# Altium PCB Velotour_2022_V1.0.PcbDoc (part 2 of 3) (continued)
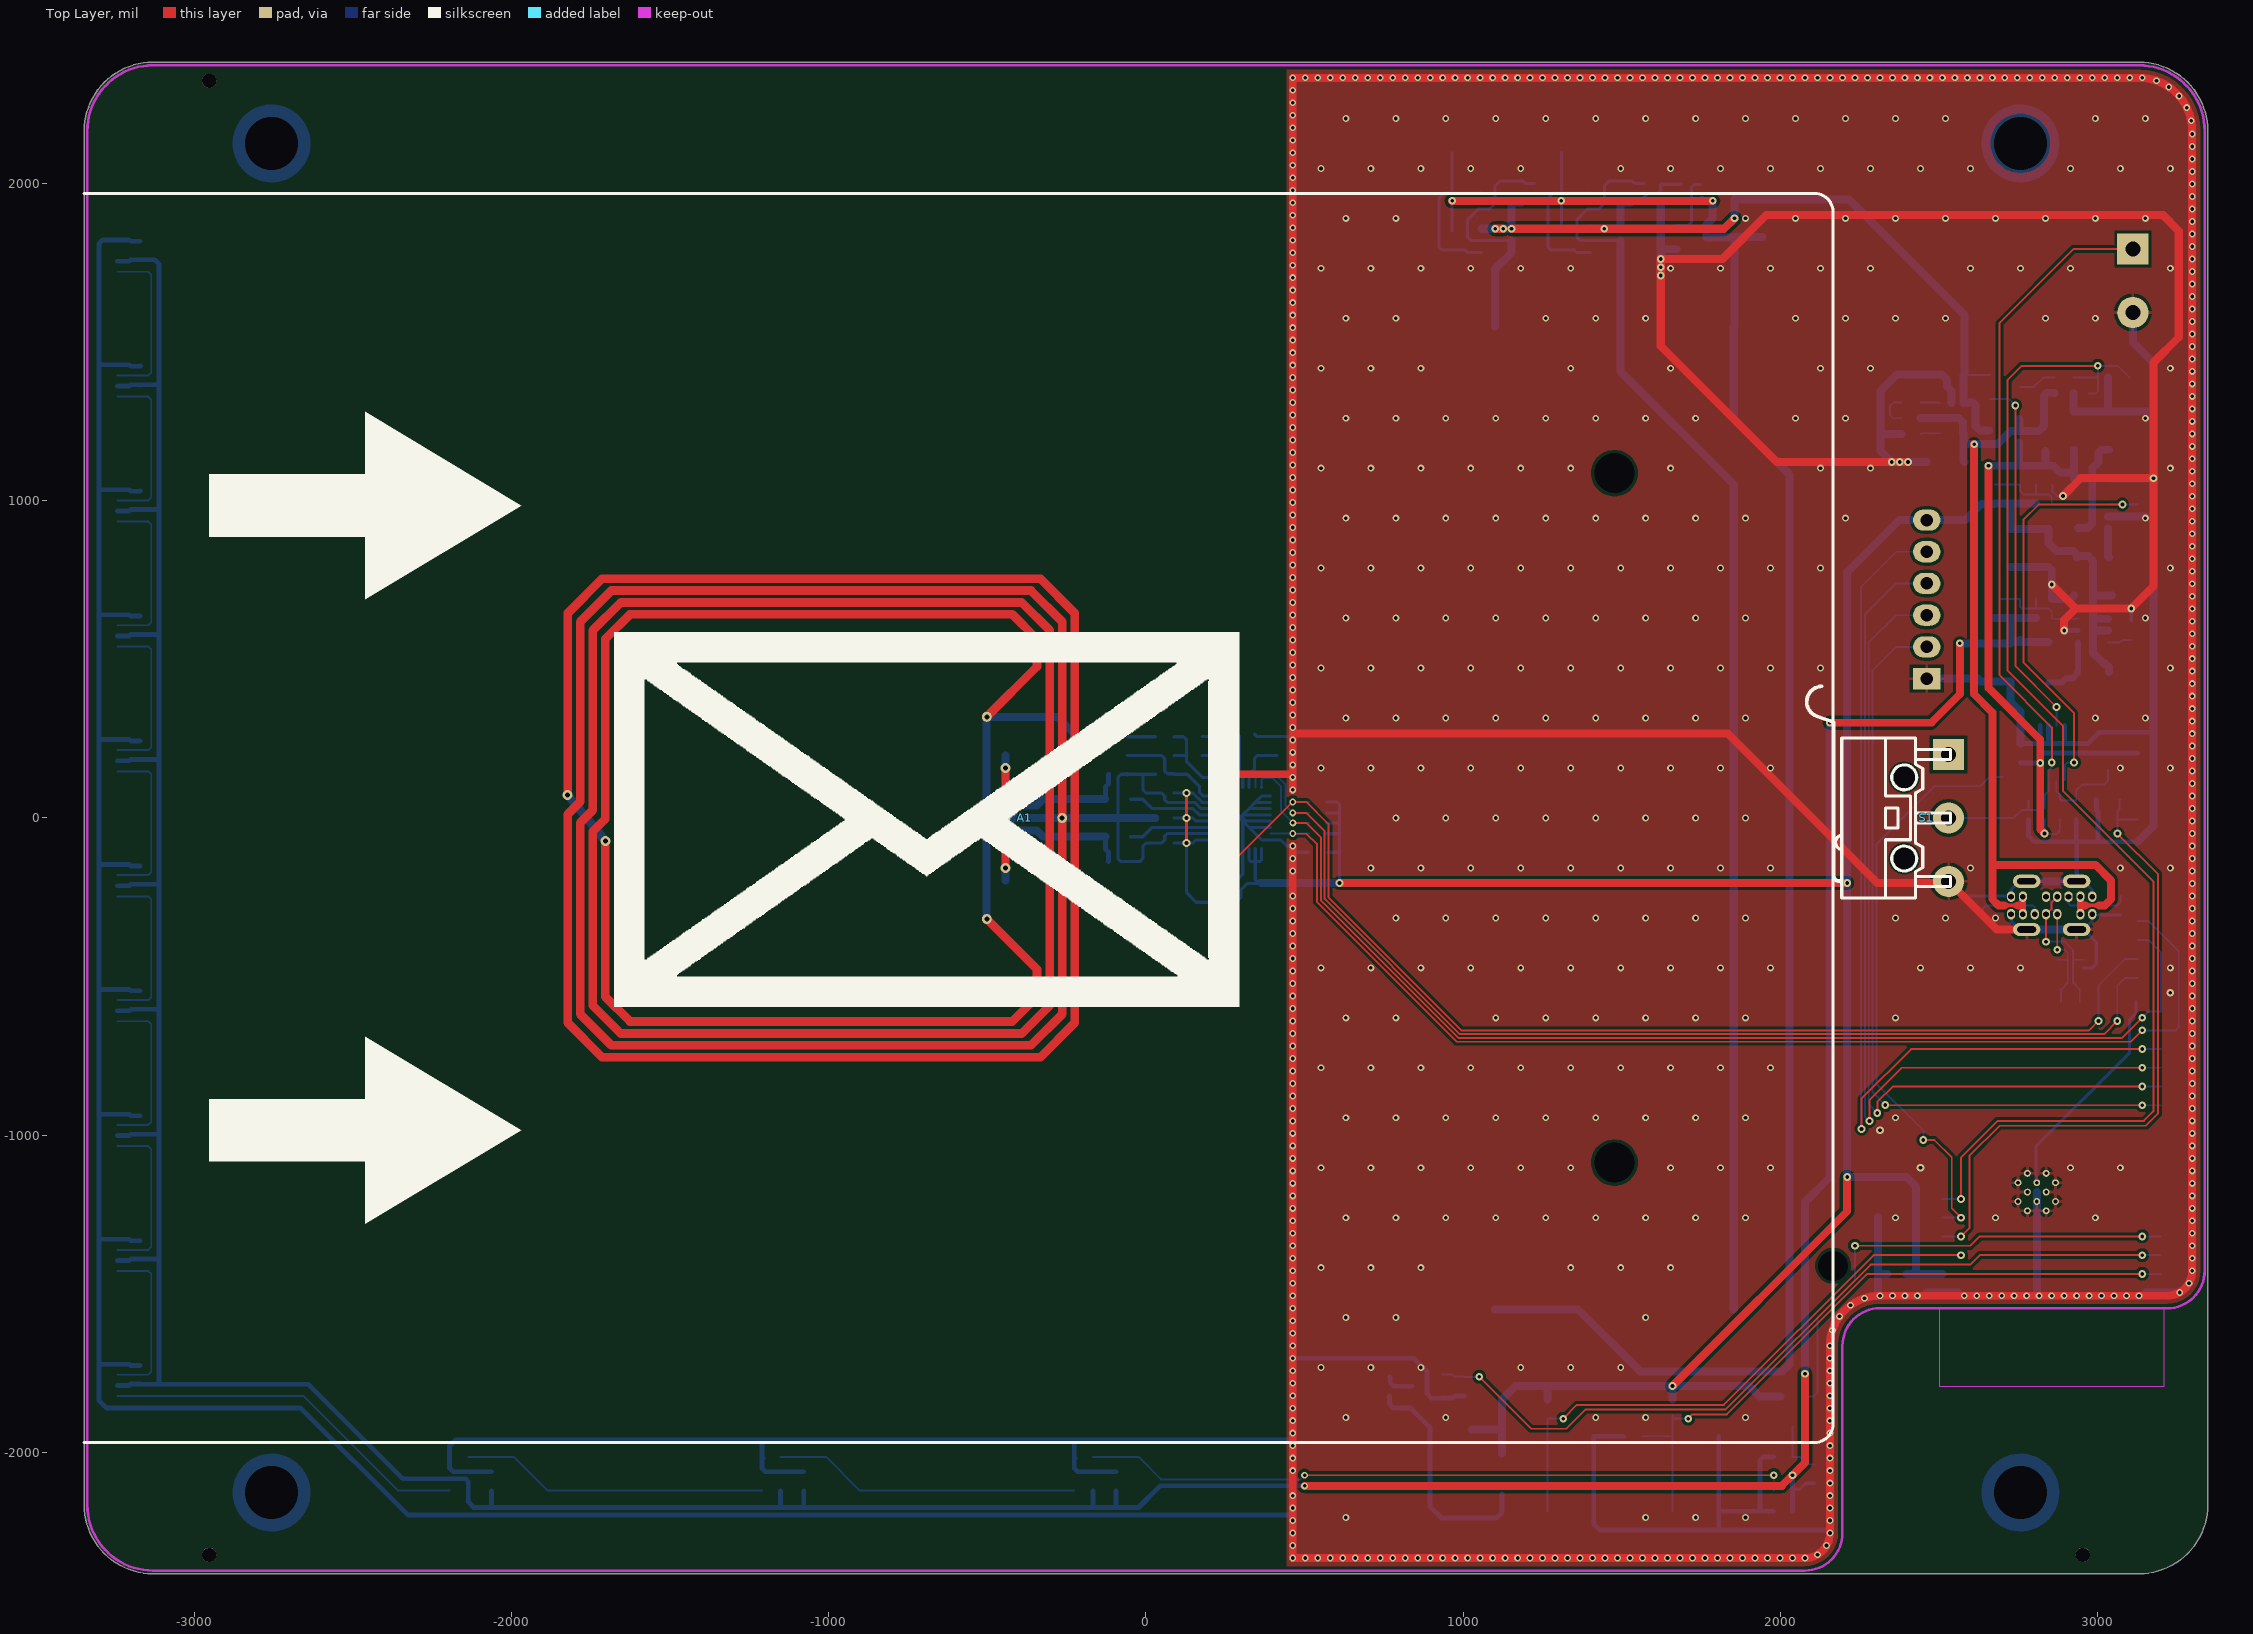
[diagram p0: Top Layer view]
## Nets (pads, with @x,y where several pads share a name; then routed paths per layer and width w, separated by ;. In a path a pad name is that pad's centre, name@x,y a point inside that pad or via, vN(x,y) a via of type N, cw(c..) or ccw(c..) an arc to the next point about the centre after c; other vN are vias at no path point) (continued)
  other v2: 2440.94,-1102.36 2312.99,-984.25 3228.35,-551.18
  other v3: -1703.89,-72.83 -1822.83,72.83
NetA1_1: A1.1 C24.2 C26.1 C27.1 | length 278.7
  Bottom Layer w25: A1.1@-502.44,-318.04 -502.44,-201.85 C27.1@-502.44,-196.85 C26.1@-502.44,-118.11 -502.44,-44.37 C24.2@-502.44,-39.37
NetA1_2: A1.2 C29.2 C30.2 C31.2 C32.1 | length 687.9
  Bottom Layer w25: C31.2@-502.44,39.37 -502.44,83.58 -502.44,88.58 A1.2@-502.44,318.04 ; A1.2@-501.77,318.71 -279.34,318.71 -216.53,255.9 C32.1@-118.58,255.9
NetC1_2: C1.2 R3.1 R5.2 TP4.1 U1.5 | length 342.4
  Bottom Layer w6: TP4.1@2674.98,1050.47 R3.1@2754.72,1050.47 2754.72,1030.28 2765,1020 2805,1020 ; C1.2@2804.73,1050.47 2804.73,1020.27 2805,1020 ; U1.5@2937.48,987.87 2857.32,987.87 R5.2@2854.72,990.47 2854.72,1010.28 2845,1020 2805,1020
NetC2_2: C2.2 R4.1 R7.2 TP5.1 U2.3 | length 326.4
  Bottom Layer w6: 2694.73,690.47 R4.1@2754.72,690.47 2754.72,665.28 2760,660 2802.5,660 ; C2.2@2804.73,690.47 2804.73,662.23 2802.5,660 ; U2.3@2937.48,627.87 2857.32,627.87 R7.2@2854.72,630.47 2854.72,650.28 2845,660 2802.5,660
NetC12_1: C12.1 C16.1 D4.A D5.A R14.1 R15.1 TP14.1 U5.3 X2.2 X2.4 | length 5999.9
  Top Layer w25.59: v2(964.88,1944.88) v2(1309.06,1944.88) v2(1785.98,1944.88)
  Bottom Layer w9.84: R14.1@964.88,1849.68 D4.A@964.88,1905.91 v2(964.88,1944.88) ; R15.1@1309.05,1849.68 D5.A@1309.06,1905.91 v2(1309.06,1944.88) ; C16.1@1749.05,1944.88 1752.01,1947.84 C16.1@1754.96,1950.79 ; U5.3@1765.98,1829.69 U5.3@1766.06,1829.76 ; C12.1@1854.88,1829.76 C12.1@1855.83,1830.71
  Bottom Layer w25.59: X2.2@1100.39,-1549.21 1362.2,-1549.21 1557.99,-1745 2005,-1745 2027.56,-1722.44 2027.56,1082.68 1852.36,1257.87 X2.4@1852.36,1549.21 1854.88,1551.73 C12.1@1854.88,1829.76 U5.3@1766.06,1829.76 ; C16.1@1752.01,1947.84 1754.96,1944.88 v2(1785.98,1944.88) 1785.98,1889.76 1765.98,1869.76 U5.3@1765.98,1829.69 ; C12.1@1855.83,1830.71 TP14.1@1943.46,1830.71
NetC13_2: C13.2 D2.K R1.1 S1.3 U3.7 X1.1 | length 2465.4
  Top Layer w6: v2(2855,175) 2855,285 2690,450 2690,1560 2922.91,1792.91 X1.1@3110.24,1792.91
  Bottom Layer w6: S1.3@2529.53,0 2735,0 2760,25 2780,25 ; C13.2@2781.73,55.35 2781.73,26.73 2780,25 ; U3.7@2844.02,118.74 2844.02,149.02 2855,160 v2(2855,175) ; U3.7@2844.71,114.52 2844.71,84.87 2833.34,73.5 2833.34,56.96 R1.1@2831.73,55.35 2831.73,31.73 2825,25 2780,25
NetC14_2: C14.2 K7.D R2.1 U3.6 | length 294.1
  Bottom Layer w6: U3.6@2868.91,114.52 2868.91,84.87 2880.44,73.34 2880.44,56.65 R2.1@2881.73,55.35 C14.2@2931.73,55.35 2931.73,86.73 2950,105 3020,105 3031.73,116.73 K7.D@3031.73,152.6
NetC16_2: C16.2 R8.1 U5.2 | length 225.6
  Bottom Layer w9.84: U5.2@1671.5,1867.09 1708.19,1867.09 1719.06,1877.95 1719.06,1944.88 ; C16.2@1689.05,1944.88 1719.06,1944.88 ; R8.1@1749.05,1996.06 1726.93,1996.06 1719.06,1988.19 1719.06,1944.88
NetC24_1: C24.1 C25.1 L3.2 | length 404.4
  Bottom Layer w15: L3.2@-127.95,-59.69 -127.95,-98.43 -118.11,-108.27 C25.1@-118.11,-137.32
  Bottom Layer w25: C24.1@-442.44,-39.37 -344.49,-39.37 -324.8,-59.06 L3.2@-128.58,-59.06 L3.2@-127.95,-59.06
NetC28_2: C28.2 C31.1 L4.2 | length 405.8
  Bottom Layer w15: L4.2@-128.58,59.05 -127.95,59.68 -127.95,98.43 -118.11,108.27 -118.11,137.32 C28.2@-118.58,137.8
  Bottom Layer w25: C31.1@-442.44,39.37 -344.02,39.37 ; -344.49,39.37 -324.8,59.05 L4.2@-128.58,59.05
NetC32_2: C32.2 R20.2 | length 87.6
  Bottom Layer w9.84: C32.2@-58.58,255.9 R20.2@29.05,255.91
NetC34_2: C34.2 R23.2 TP19.1 U7.16 | length 344.5
  Bottom Layer w9.84: TP19.1@-59.06,196.85 R23.2@29.05,196.85 49.21,196.85 59.06,187.01 59.06,147.64 67.56,139.14 87.72,139.14 C34.2@89.06,137.79 129.59,137.79 168.96,98.43 168.96,80.38 180.44,68.9 U7.16@198.82,68.9
NetC35_1: C35.1 Q1.1 U7.22 | length 173.8
  Bottom Layer w9.84: U7.22@324.8,96.46 324.8,106.3 324.8,137.8 342.52,155.51 Q1.1@342.52,188.98 349.92,196.38 C35.1@413.39,196.38
NetC36_1: C36.1 Q1.2 U7.21 | length 288
  Bottom Layer w9.84: C36.1@177.16,256.38 240.63,256.38 Q1.2@248.03,263.78 287.4,263.78 295.28,255.91 295.28,147.64 305.12,137.8 U7.21@305.12,96.46
NetD1_A: D1.A L1.2 U2.1 | length 201.1
  Bottom Layer w20: D1.A@2844.72,426.69 2886.69,426.69 2900,440 2919.92,440 2934.53,454.61 L1.2@2934.53,460.47 2937.48,463.43 U2.1@2937.48,553.07
NetD4_K: D4.K K2.D K3.G R14.2 TP9.1 | length 562.7
  Bottom Layer w9.84: TP9.1@964.57,2096.46 964.57,2033.78 D4.K@964.88,2033.46 964.88,1969.68 ; K3.G@1057.32,1782.28 1012.99,1782.28 1005.59,1789.68 932.76,1789.68 923.23,1799.21 923.23,1952.76 940.16,1969.68 964.88,1969.68 ; K2.D@1057.32,1969.68 964.88,1969.68
NetD5_K: D5.K K4.D K5.G R15.2 TP10.1 | length 562.5
  Bottom Layer w9.84: TP10.1@1309.06,2096.46 D5.K@1309.06,2033.46 1309.06,1969.68 ; K5.G@1401.5,1782.28 1357.48,1782.28 1350.08,1789.68 1276.93,1789.68 1267.4,1799.21 1267.4,1952.76 1284.33,1969.68 1309.06,1969.68 ; K4.D@1401.5,1969.68 1309.06,1969.68
NetD7_A: D7.A Q2.2 R26.1 | length 740.9
  Bottom Layer w15: R26.1@767.72,-1821.34 767.72,-1847.72 780,-1860 835,-1860 895,-1920 895,-2170 931.69,-2206.69 Q2.2@1025.59,-2206.69 1103.31,-2206.69 1122.05,-2187.95 D7.A@1122.05,-2130.71
NetK1_D: K1.D R11.2 | length 122
  Bottom Layer w6: K1.D@2753.94,1358.27 2798.27,1358.27 2827.8,1387.8 R11.2@2863.7,1387.8
NetK1_G: K1.G U3.3 | length 1150.9
  Top Layer w6: v2(2740,1300) 2740,479.21 v2(2869.61,349.61)
  Bottom Layer w6: K1.G@2659.45,1320.87 2719.13,1320.87 v2(2740,1300) ; U3.3@2869.61,291.97 v2(2869.61,349.61)
NetK2_G: K2.G K3.D R9.1 X2.1 | length 785.9
  Bottom Layer w9.84: K3.D@1151.81,1819.69 1024.8,1819.69 1013.78,1830.71 1013.78,1885.83 1047.24,1919.29 1082.68,1919.29 1100.39,1937.01 1100.39,1992.13 1115.35,2007.09 K2.G@1151.81,2007.09 1187.8,2007.09 1195.2,1999.68 R9.1@1224.57,1999.68
  Bottom Layer w25.59: X2.1@1100.39,1549.21 1100.39,1730.31 1151.57,1781.5 1151.57,1818.7 1151.81,1818.94 K3.D@1151.81,1819.69
NetK4_G: K4.G K5.D R10.1 X2.3 | length 4010.6
  Bottom Layer w9.84: K5.D@1495.98,1819.69 1368.98,1819.69 1357.95,1830.71 1357.95,1885.83 1391.42,1919.29 1426.85,1919.29 1444.57,1937.01 1444.57,1992.13 1459.53,2007.09 K4.G@1495.98,2007.09 1531.97,2007.09 1539.37,1999.68 R10.1@1568.74,1999.68
  Bottom Layer w25.59: K5.D@1495.98,1819.69 1495.98,1407.56 1852.36,1051.18 X2.3@1852.36,-1549.21
NetK8_D: K8.D P2.2 R27.1 | length 174.9
  Bottom Layer w6: K8.D@2037.4,-1917.32 P2.2@2037.4,-2013.78 2059.72,-2013.78 2082.87,-2036.93 R27.1@2106.3,-2036.93
NetK9_D: K9.D R26.2 | length 92.9
  Bottom Layer w15: R26.2@767.72,-1761.34 770,-1763.62 770,-1780 781.34,-1791.34 K9.D@838.58,-1791.34
NetL2_1: L2.1 U1.3 | length 93.8
  Bottom Layer w25: U1.3@3031.97,913.07 3031.97,823.43 L2.1@3034.92,820.47
NetL3_1: L3.1 U7.11 | length 259.6
  Bottom Layer w9.84: L3.1@-48.58,-59.06 -9.84,-59.06 19.69,-29.53 U7.11@198.82,-29.53
NetL4_1: L4.1 U7.13 | length 267.8
  Bottom Layer w9.84: L4.1@-48.58,59.05 -9.84,59.06 19.96,29.25 147.92,29.25 167.32,9.84 U7.13@198.82,9.84
NetP1_K: P1.K R12.1 | length 111.5
  Bottom Layer w6: R12.1@2381.42,1309.05 2381.1,1309.37 2355,1309.37 2345,1299.37 2345,1269.37 2354.53,1259.84 P1.K@2381.89,1259.84
NetP2_4: P2.4 P3.2 | length 2229.4
  Top Layer w6: v1(500,-2071.46) v2(1978.35,-2071.46)
  Bottom Layer w6: P3.2@-167.32,-2013.78 -23.62,-2013.78 47.6,-2085 486.46,-2085 v1(500,-2071.46) ; P2.4@1978.35,-2120.08 v2(1978.35,-2071.46)
NetP3_4: P3.4 P4.2 | length 969.2
  Bottom Layer w6: P4.2@-1151.57,-2013.78 -1007.87,-2013.78 -901.57,-2120.08 P3.4@-226.38,-2120.08
NetP4_4: P4.4 P5.2 | length 969.2
  Bottom Layer w6: P5.2@-2135.83,-2013.78 -1992.13,-2013.78 -1885.83,-2120.08 P4.4@-1210.63,-2120.08
NetP5_4: P5.4 P6.1 | length 1170.8
  Bottom Layer w6: P6.1@-3242.13,-1821.85 -2654.53,-1821.85 -2356.3,-2120.08 P5.4@-2194.88,-2120.08
NetP6_3: P6.3 P7.1 | length 530.5
  Bottom Layer w6: P6.3@-3242.13,-1754.92 -3144.02,-1754.92 -3135,-1745.91 -3135,-1437.17 -3144.02,-1428.15 P7.1@-3242.13,-1428.15
NetP7_3: P7.3 P8.1 | length 530.5
  Bottom Layer w6: P7.3@-3242.13,-1361.22 -3144.02,-1361.22 -3135,-1352.2 -3135,-1043.46 -3144.02,-1034.45 P8.1@-3242.13,-1034.45
NetP8_3: P8.3 P9.1 | length 530.5
  Bottom Layer w6: P8.3@-3242.13,-967.52 -3144.02,-967.52 -3135,-958.5 -3135,-649.76 -3144.02,-640.75 P9.1@-3242.13,-640.75
NetP9_3: P9.3 P10.1 | length 530.5
  Bottom Layer w6: P9.3@-3242.13,-573.82 -3144.02,-573.82 -3135,-564.8 -3135,-256.06 -3144.02,-247.05 P10.1@-3242.13,-247.05
NetP10_3: P10.3 P11.1 | length 530.5
  Bottom Layer w6: P10.3@-3242.13,-180.12 -3144.02,-180.12 -3135,-171.1 -3135,137.64 -3144.02,146.65 P11.1@-3242.13,146.65
NetP11_3: P11.3 P12.1 | length 530.5
  Bottom Layer w6: P11.3@-3242.13,213.58 -3144.02,213.58 -3135,222.6 -3135,531.34 -3144.02,540.35 P12.1@-3242.13,540.35
NetP12_3: P12.3 P13.1 | length 530.5
  Bottom Layer w6: P12.3@-3242.13,607.28 -3144.02,607.28 -3135,616.3 -3135,925.04 -3144.02,934.06 P13.1@-3242.13,934.06
NetP13_3: P13.3 P14.1 | length 530.5
  Bottom Layer w6: P13.3@-3242.13,1000.98 -3144.02,1000.98 -3135,1010 -3135,1318.74 -3144.02,1327.76 P14.1@-3242.13,1327.76
NetP14_3: P14.3 P15.1 | length 530.5
  Bottom Layer w6: P14.3@-3242.13,1394.68 -3144.02,1394.69 -3135,1403.7 -3135,1712.44 -3144.02,1721.46 P15.1@-3242.13,1721.46
NetR6_1: R6.1 U2.6 | length 76.3
  Bottom Layer w6: U2.6@3031.97,553.07 3068.82,553.07 3076.77,561.02 3104.17,561.02 R6.1@3104.72,560.47
NetR12_2: R12.2 U4.1 | length 61.4
  Bottom Layer w6: R12.2@2441.42,1309.05 2500,1309.05 U4.1@2501.97,1307.09
NetR13_2: R13.2 U4.5 | length 61.4
  Bottom Layer w6: R13.2@2441.42,1210.63 2443.39,1212.6 U4.5@2501.97,1212.6
NetR20_1: R20.1 R23.1 U7.17 | length 295.8
  Bottom Layer w9.84: R23.1@89.05,196.85 127.95,196.85 ; R20.1@89.05,255.91 118.11,255.91 ; 118.39,256.18 128.23,246.34 128.23,176.89 177.17,127.95 217.09,127.95 226.38,118.66 U7.17@226.38,96.46
NetR24_1: R24.1 X3.B5 | length 212.5
  Bottom Layer w6: R24.1@2637.8,-305.59 2637.8,-285.43 2647.64,-275.59 2795.28,-275.59 2801.18,-281.5 X3.B5@2801.18,-303.15 X3.B5@2800.63,-302.6
NetR25_1: R25.1 X3.A5 | length 212.5
  Bottom Layer w6: X3.A5@2908.03,-248.58 X3.A5@2907.48,-248.03 2907.48,-269.69 2913.39,-275.59 3061.02,-275.59 3070.87,-265.75 R25.1@3070.87,-245.59
NetTP3_1: TP3.1 U1.1 U3.5 | length 1337.8
  Top Layer w6: v2(2925,175) 2925,330 2765,490 2765,940 2812.87,987.87 v2(3077.42,987.87)
  Bottom Layer w6: U3.5@2895.2,118.74 2896.36,119.91 2896.36,166.36 2905,175 v2(2925,175) ; U1.1@3031.97,987.87 v2(3077.42,987.87) 3122.87,987.87 TP3.1@3125,990
NFC_I\R\Q\: R19.3 TP16.1 U6.25 U7.23 | length 3506.4
  Top Layer w6: v1(462.6,16.02) 505.47,16.02 563,-41.5 563,-254.97 989.32,-681.29 3019.5,-681.29 v2(3061.02,-639.76)
  Bottom Layer w6: U7.23@344.49,96.46 344.49,124.02 358.27,137.8 407.2,137.8 440,105 440,38.62 v1(462.6,16.02) R19.3@514.06,16.02 ; v2(3061.02,-639.76) U6.25@3061.02,-580.71 3061.02,-528.98 3085,-505 TP16.1@3125,-505
NFC_R\S\T\: R19.4 TP15.1 U6.24 U7.6 | length 3637.4
  Top Layer w6: v2@264.49,-147.64 v2(265.75,-147.64) v2@269.27,-144.12 ; v2@268.64,-143.49 v1(462.6,50.47) 505.47,50.47 575,-19.06 575,-250 994.29,-669.29 2972.44,-669.29 v2(3001.97,-639.76)
  Bottom Layer w6: v2(265.75,-147.64) U7.6@265.75,-96.46 ; v1(462.6,50.47) R19.4@514.06,50.47 ; v2(3001.97,-639.76) U6.24@3001.97,-580.71 3001.97,-528.03 3085,-445 TP15.1@3125,-445
NFC_SCL: R19.1 TP18.1 U6.28 U7.31 | length 3710
  Top Layer w6: v1@472.44,-49.92 505.47,-49.92 539,-83.45 539,-264.91 979.38,-705.29 3103.77,-705.29 v2(3139.76,-669.29)
  Bottom Layer w6: U7.31@391.73,-49.21 R19.1@513.35,-49.21 ; TP18.1@3125,-325 3160,-325 3255,-420 3255,-660 3245.71,-669.29 U6.28@3198.82,-669.29 v2(3139.76,-669.29)
  other v1: 462.6,-49.21
NFC_SDA: R19.2 TP17.1 U6.27 U7.24 | length 3724.1
  Top Layer w6: v1@462.6,-15.47 505.47,-15.47 551,-61 551,-259.94 984.35,-693.29 3076.4,-693.29 v2(3139.76,-629.92)
  Bottom Layer w6: U7.24@364.17,98.43 364.17,120.08 369.89,125.8 399.2,125.8 425,100 425,22.4 v1(462.87,-15.47) R19.2@514.06,-15.47 ; TP17.1@3125,-385 3160,-385 3198.82,-423.82 U6.27@3198.82,-610.24 3159.45,-610.24 v2(3139.76,-629.92)
  Bottom Layer w9.84: U7.24@364.17,96.46 U7.24@364.17,98.43
PWR_BTN: D2.A TP8.1 U6.5 | length 1854.6
  Top Layer w6: v2(2450,-1015) 2485,-1015 2539.37,-1069.37 2539.37,-1230.31 v2(2568.9,-1259.84)
  Bottom Layer w6: v2(2450,-1015) 2450,-985 2302,-837 2302,-83 2485,100 2629.66,100 2658.79,129.13 D2.A@2701.73,129.13 ; U6.5@2509.84,-1259.84 v2(2568.9,-1259.84)
PWR_OFF: K7.G R16.2 TP12.1 U6.4 | length 2083.1
  Top Layer w6: v2(2568.9,-1318.9) 2595,-1292.8 2595,-1065 2690,-970 3151.21,-970 3190,-931.21 3190,-177.54 v2(3061.73,-49.27)
  Bottom Layer w6: U6.4@2509.84,-1318.9 v2(2568.9,-1318.9) ; v2(3061.73,-49.27) R16.2@3061.73,-4.65 ; K7.G@3069.13,58.11 3067.94,56.92 3067.94,27.94 3061.73,21.73 R16.2@3061.73,-4.65 ; TP12.1@3125,-5 3062.09,-5 R16.2@3061.73,-4.65
R\S\T\: C33.2 R21.1 S2.1 U6.41 | length 2124.1
  Top Layer w6: v2(1708.7,-1893.35) 1722.05,-1880 1830.63,-1880 2273.62,-1437.01 v2(3139.76,-1437.01)
  Bottom Layer w6: C33.2@1565.43,-1948.82 S2.1@1659.45,-1948.82 ; S2.1@1659.45,-2185.04 R21.1@1659.45,-1893.35 ; R21.1@1659.45,-1883.35 R21.1@1659.45,-1893.35 ; v2(1708.7,-1893.35) R21.1@1659.45,-1893.35 ; v2(3139.76,-1437.01) U6.41@3198.82,-1437.01
SYS_BZR: K9.G R28.2 U6.40 | length 2563.2
  Top Layer w6: v2(1050,-1761.34) 1213.66,-1925 1325,-1925 1385,-1865 1825.94,-1865 2283.46,-1407.48 2598.43,-1407.48 2627.95,-1377.95 v2(3139.76,-1377.95)
  Bottom Layer w6: K9.G@933.07,-1753.94 933.28,-1754.15 966.47,-1754.15 972.89,-1760.57 1003.16,-1760.57 R28.2@1003.94,-1761.34 v2(1050,-1761.34) ; v2(3139.76,-1377.95) U6.40@3198.82,-1377.95
SYS_LED: K8.S U6.39 | length 1534.5
  Top Layer w6: v2(2234.25,-1348.43) 2598.43,-1348.43 2627.95,-1318.9 v2(3139.76,-1318.9)
  Bottom Layer w6: K8.S@2074.8,-1822.83 2104.33,-1822.83 2116.14,-1811.02 2116.14,-1574.8 2234.25,-1456.69 v2(2234.25,-1348.43) ; v2(3139.76,-1318.9) U6.39@3198.82,-1318.9
USB_D_N: D6.6 U6.22 X3.A7 X3.B7 | length 416.2
  Top Layer w6: v2(2872.05,-415) X3.B7@2872.05,-303.15
  Bottom Layer w6: X3.A7@2836.61,-248.03 2854.33,-265.75 2854.33,-285.43 X3.B7@2872.05,-303.15 ; D6.6@2872.05,-446.85 2905,-446.85 ; v2(2872.05,-415) 2895,-415 2905,-425 2905,-446.85 ; U6.22@2883.86,-580.71 2883.86,-541.14 2905,-520 2905,-446.85
USB_D_P: D6.1 U6.23 X3.A6 X3.B6 | length 458.5
  Top Layer w6: v2(2836.61,-390) X3.B6@2836.61,-303.15 2854.33,-285.43 2854.33,-265.75 X3.A6@2872.05,-248.03
  Bottom Layer w6: v2(2836.61,-390) 2895,-390 2921.77,-416.77 2921.77,-446.85 ; U6.23@2942.91,-580.71 2942.91,-541.14 2921.77,-520 2921.77,-446.85 ; D6.1@2954.72,-446.85 2921.77,-446.85
VBAT: C10.2 C11.2 C12.2 K1.S K2.S K3.S K4.S K5.S K6.D R8.2 R9.2 R10.2 TP7.1 U4.3 | length 2822.5
  Top Layer w25.59: v2(1100.39,1857.09) v2(1126.1,1857.09) ; v2(1151.81,1857.09) v2(1444.57,1857.09) 1822.21,1857.09 v2(1854.88,1889.76)
  Bottom Layer w6: C10.2@2579.69,1395.67 K1.S@2659.45,1395.67
  Bottom Layer w9.84: K2.S@1151.81,1932.28 1186.22,1932.28 1193.62,1939.68 R9.2@1224.57,1939.68 ; K4.S@1495.98,1932.28 1530.39,1932.28 1537.79,1939.68 R10.2@1568.74,1939.68 1569.45,1940.39 1569.45,1956.69 1581.26,1968.5 1612.76,1968.5 1622.44,1978.19 C11.2@1622.44,1997.32 1686.38,1997.32 R8.2@1687.09,1998.03 ; C12.2@1854.88,1949.76 C12.2@1855.83,1948.82
  Bottom Layer w25: U4.3@2576.77,1308.09 U4.3@2576.77,1308.59 ; C10.2@2579.69,1397.64 2576.77,1394.72 U4.3@2576.77,1308.59 ; 2615,1299.37 2615,1235.12 2629.64,1220.47 K6.D@2657.48,1220.47 ; 2615,1299.87 2605,1309.87 2578.05,1309.87 U4.3@2576.77,1308.59
  Bottom Layer w25.59: K3.S@1057.32,1857.09 v2(1100.39,1857.09) ; v2(1126.1,1857.09) v2(1151.81,1857.09) K2.S@1151.81,1932.28 ; K5.S@1401.5,1857.09 v2(1444.57,1857.09) 1495.98,1857.09 K4.S@1495.98,1932.28 ; v2(1854.88,1889.76) C12.2@1854.88,1949.76 ; C12.2@1855.83,1948.82 TP7.1@1943.46,1948.82 2216.18,1948.82 2579.69,1585.31 C10.2@2579.69,1397.64 C10.2@2579.69,1395.67
VBUS: C9.2 D3.A K6.G P1.A R18.2 U4.4 X3.A4 X3.A9 X3.B4 X3.B9 | length 2932.3
  Top Layer w9: 2703.74,-275.59 2749.02,-275.59 ; 2959.65,-275.59 3004.92,-275.59
  Top Layer w20: X3.B4@2763.78,-303.15 X3.A9@2763.78,-248.03 ; X3.B9@2944.88,-303.15 X3.A4@2944.88,-248.03
  Top Layer w25: v2(2610,1178) 2610,390 2667.32,332.68 2667.32,-255.91 2687.01,-275.59 2703.74,-275.59 ; 2670,-147.64 2854.33,-147.64 2992.13,-147.64 3041.34,-196.85 3041.34,-255.91 3021.65,-275.59 3004.92,-275.59 ; 2749.02,-275.59 2756.89,-275.59 ; 2951.77,-275.59 2959.65,-275.59
  Bottom Layer w25: P1.A@2440.95,1259.84 2562.13,1259.84 2575.49,1246.48 2575.49,1213.88 U4.4@2576.77,1212.6 2576.77,1178 ; C9.2@2579.69,1122.05 2576.77,1124.96 2576.77,1178 ; K6.G@2750.77,1256.67 K6.G@2751.97,1257.87 2752.8,1257.05 2752.8,1222.2 2755,1220 ; R18.2@2863.7,1338.58 2863.7,1340 2840,1340 2830,1330 D3.A@2830,1283.78 2830,1235 2815,1220 2755,1220 ; 2576.77,1178 v2(2610,1178) 2684,1178 2726,1220 2755,1220
VIN: C7.2 C8.2 C17.2 C18.P D3.K K6.S R1.2 R2.2 TP11.1 U1.4 U3.8 | length 2686.9
  Top Layer w25: v2(2655,1110) 2655,410 2818.42,246.58 v2(2818.42,173.23) 2818.42,-35.96 v2(2831.73,-49.27)
  Bottom Layer w6: R1.2@2831.73,-4.65 v2(2831.73,-49.27) 2831,-50 2870,-50 2880,-40 2880,-6.38 R2.2@2881.73,-4.65
  Bottom Layer w15: C7.2@2755.9,174.72 2757.4,173.23 v2(2818.42,173.23) ; U3.8@2818.42,118.74 v2(2818.42,173.23) ; TP11.1@3125,205 2830,205 2818.42,193.42 v2(2818.42,173.23)
  Bottom Layer w25: v2(2655,1110) 2754.82,1110 ; K6.S@2751.97,1183.07 2751.97,1112.85 2754.82,1110 ; D3.K@2834.72,1156.69 2834.72,1110.08 2834.65,1110 ; C17.2@2924.72,1160.47 C8.2@2924.72,1078.14 ; U1.4@2937.48,913.07 2938.76,914.35 2967.64,914.35 2982.28,929 2982.28,1072.83 ; C18.P@3034.72,1160.47 3011.97,1160.47 3001.97,1150.47 3001.97,1122.05 2982.28,1102.36 2982.28,1072.83 ; 2754.82,1110 2834.65,1110 ; 2834.65,1110 2860,1110 2881.86,1088.14 2914.72,1088.14 C8.2@2924.72,1078.14 ; C8.2@2924.72,1078.14 C8.2@2924.72,1070.47 2979.92,1070.47 2982.28,1072.83
pads on no net: D6.3 D6.4 D6.5 M1.1 M2.1 M3.1 M4.1 P15.3 Q2.NC S1.1 S1.NC U6.7 U6.8 U6.9 U6.10 U6.11 U6.12 U6.13 U6.14 U6.15 U6.16 U6.17 U6.18 U6.19 U6.20 U6.21 U6.33 U6.34 U6.35 U6.36 U6.37 U6.38 U7.7 U7.8 U7.19 U7.20 X2.NC

## Polygon pours and split planes (outlines as drawn)
GND on Top Layer "GND_L01_P000" (solid, remove dead copper, pour order 0): 442.91,2381.89 3129.92,2381.89 cw(c3129.92,2165.35) 3346.46,2165.35 3346.46,-1427.17 cw(c3218.5,-1427.17) 3218.5,-1555.12 2312.99,-1555.12 ccw(c2312.99,-1663.39) 2204.72,-1663.39 2204.72,-2253.94 cw(c2076.77,-2253.94) 2076.77,-2381.89 442.91,-2381.89
GND on Bottom Layer "GND_L02_P001" (solid, remove dead copper, pour order 1): 442.91,2381.89 3129.92,2381.89 cw(c3129.92,2165.35) 3346.46,2165.35 3346.46,-1427.17 cw(c3218.5,-1427.17) 3218.5,-1555.12 2312.99,-1555.12 ccw(c2312.99,-1663.39) 2204.72,-1663.39 2204.72,-2253.94 cw(c2076.77,-2253.94) 2076.77,-2381.89 442.91,-2381.89

## Keep-outs
Keep-Out Layer:
  lines w8: -3336.61,-2165.35 ccw(c-3129.92,-2165.35) -3129.92,-2372.05 0,-2372.05 2076.77,-2372.05 ccw(c2076.77,-2253.94) 2194.88,-2253.94 2194.88,-1663.39 cw(c2312.99,-1663.39) 2312.99,-1545.28 3218.5,-1545.28 ccw(c3218.5,-1427.17) 3336.61,-1427.17 3336.61,0 3336.61,2165.35 ccw(c3129.92,2165.35) 3129.92,2372.05 0,2372.05 -3129.92,2372.05 ccw(c-3129.92,2165.35) -3336.61,2165.35 -3336.61,0 -3336.61,-2165.35

## Silkscreen, mask and mechanical layers (free items; w line width, h text height)
Top Overlay:
  drawing of 9 lines, arcs and shapes, not listed
Bottom Overlay:
  text "JLCJLCJLCJLCJLCJLCJLC" at 2562.9,2250.09 h32
  text "Mailbox Game     V1.0     Florian Baumgartner      22.07.2022" at 393.7,2013.22 h118.11
  text "EXT BTN" at 2855.31,1743.31 h196.85
  text "0" at -2775.59,1633.86 h314.96
  text "GND" at 2855.31,1543.31 h196.85
  text "1" at -2775.59,1240.16 h314.96
  text "3V3" at 2385.73,922.98 h32
  text "2" at -2775.59,846.46 h314.96
  text "A" at 2385.73,822.98 h32
  text "B" at 2385.73,722.98 h32
  text "C" at 2385.73,622.98 h32
  text "D" at 2385.73,522.98 h32
  text "3" at -2775.59,452.76 h314.96
  text "GND" at 2385.73,422.98 h32
  text "4" at -2775.59,59.06 h314.96
  text "5" at -2775.59,-334.65 h314.96
  text "6" at -2775.59,-728.35 h314.96
  text "7" at -2775.59,-1122.05 h314.96
  text "8" at -2775.59,-1515.75 h314.96
  text "B" at -1022.39,-1888.03 h708.66
  text "A" at -38.14,-1888.03 h708.66
  text "C" at -2006.65,-1893.5 h708.66
  text "9" at -2775.59,-1909.45 h314.96
  text "BOOT" at 1487.45,-2322.83 h196.85
  text "RST" at 1890.99,-2322.83 h196.85
  text "SYS" at 2166.58,-2322.83 h196.85
Mechanical 1:
  the board outline again, w10
Mechanical 4:
  circle w10: c3110.24,1592.91 r70.87
  circle w10: c3110.24,1792.91 r70.87
  circle w10: c-2755.91,-2125.98 r62.99
  circle w10: c2755.91,-2125.98 r62.99
  circle w10: c2755.91,2125.98 r62.99
  circle w10: c-2755.91,2125.98 r62.99
  lines w10: -3346.46,-2165.35 ccw(c-3129.92,-2165.35) -3129.92,-2381.89 0,-2381.89 3129.92,-2381.89 ccw(c3129.92,-2165.35) 3346.46,-2165.35 3346.46,0 3346.46,2165.35 ccw(c3129.92,2165.35) 3129.92,2381.89 0,2381.89 -3129.92,2381.89 ccw(c-3129.92,2165.35) -3346.46,2165.35 -3346.46,1968.5 2106.3,1968.5 cw(c2106.3,1909.45) 2165.35,1909.45 2165.35,492.13 ccw(c2204.72,492.13) 2204.72,452.76 cw(c2204.72,413.39) 2244.09,413.39 2244.09,314.96 ccw(c2283.46,314.96) 2283.46,275.59 2529.53,275.59 cw(c2529.53,200) 2605.12,200 2608.27,0 2605.12,-200 cw(c2529.53,-200) 2529.53,-275.59 2204.72,-275.59 ccw(c2204.72,-314.96) 2165.35,-314.96 2165.35,-1909.45 cw(c2106.3,-1909.45) 2106.3,-1968.5 -3346.46,-1968.5 -3346.46,-2165.35 ; 2410.63,438.98 ccw(c2460.63,438.98) 2510.63,438.98 2510.63,938.98 ccw(c2460.63,938.98) 2410.63,938.98 2410.63,438.98 ; 2696.85,-344.49 ccw(c2736.22,-344.49) 2736.22,-383.86 2972.44,-383.86 ccw(c2972.44,-344.49) 3011.81,-344.49 3011.81,-275.59 3011.81,-206.69 ccw(c2972.44,-206.69) 2972.44,-167.32 2736.22,-167.32 ccw(c2736.22,-206.69) 2696.85,-206.69 2696.85,-275.59 2696.85,-344.49
Mechanical 15:
  lines w5: -5593.7,-2430.71 -5393.7,-2430.71 ; -5593.7,-530.71 -5393.7,-530.71 ; -5593.7,1369.29 -5393.7,1369.29 ; -5393.7,-3830.71 -893.7,-3830.71 ; -5393.7,-3530.71 -893.7,-3530.71 ; -4493.7,-4130.71 -4493.7,-3530.71 ; -2718.7,-4330.71 -2718.7,-4130.71 ; -2718.7,3069.29 -2718.7,3269.29 ; -2393.7,-4130.71 -2393.7,-3530.71 -2393.7,-2930.71 ; -2393.7,-3230.71 -893.7,-3230.71 ; 156.3,-4330.71 156.3,-4130.71 ; 156.3,3069.29 156.3,3269.29 ; 506.3,-4130.71 -893.7,-4130.71 ; 3031.3,-4330.71 3031.3,-4130.71 ; 3031.3,3069.29 3031.3,3269.29 ; 5315.75,-2440.95 5515.75,-2440.95 ; 5315.75,-511.81 5515.75,-511.81 ; 5315.75,1377.95 5515.75,1377.95 ; -5393.7,-4130.71 5315.75,-4133.86 5315.75,3070.87 -5393.7,3069.29 -5393.7,-4130.71 ; -5393.7,-4130.71 -893.7,-4130.71 ; -5393.7,-4130.71 -5393.7,-2930.71 -2393.7,-2930.71 ; -2393.7,-2930.71 -893.7,-2930.71 -893.7,-4130.71 ; -5593.7,-4330.71 5512.6,-4330.71 5512.6,3267.72 -5593.7,3269.29 -5593.7,-4330.71
  text "4" at -4130.7,3134.29 h70
  text "3" at -1260.7,3134.29 h70
  text "2" at 1619.3,3134.29 h70
  text "1" at 4479.3,3134.29 h70
  text "A" at 5473.23,2244.09 h70
  text "A" at -5468.7,2228.29 h70
  text "B" at 5433.86,354.33 h70
  text "B" at -5468.7,336.29 h70
  text "C" at -5468.7,-1573.71 h70
  text "C" at 5433.86,-1574.8 h70
  text "TITLE:" at -2443.7,-3030.71 h45
  text "ENGINEER:" at -943.7,-3030.71 h45
  text "Florian Baumgartner" at -1002.6,-3182.01 h70
  text "PCB DESIGNER:" at -943.7,-3325.71 h45
  text "Mailbox Game" at -2468.15,-3349.02 h157.48
  text "D" at -5468.7,-3463.71 h70
  text "D" at 5433.86,-3464.57 h70
  text "Florian Baumgartner" at -1002.6,-3482.01 h70
  text "REV:" at -4543.7,-3630.71 h45
  text "PART NO.:" at -2443.7,-3630.71 h45
  text "DATE:" at -943.7,-3630.71 h45
  text "21.07.2022" at -993.7,-3750.71 h70
  text "V1.0" at -4577.6,-3782.01 h70
  text "1/1" at -2452.6,-3782.01 h70
  text "SCALE:" at -4543.7,-3930.71 h45
  text "DWG NO:" at -2443.7,-3930.71 h45
  text "FILE NAME:" at -943.7,-3930.71 h45
  text "Velotour_2022_V1.0.PcbDoc" at -1002.6,-4057.01 h70
  text "1:1" at -4577.6,-4082.01 h70
  text "1/1" at -2452.6,-4082.01 h70
  text "4" at -4130.7,-4265.71 h70
  text "3" at -1260.7,-4265.71 h70
  text "2" at 1619.3,-4265.71 h70
  text "1" at 4479.3,-4265.71 h70